# Altium PCB circuit2_pcb_ver1.PcbDoc
Units mil, origin at the board's own origin, x right, y up, seen from the top; angles counter-clockwise.
Board outline 1955.03 x 1960.03 mil, 2 copper layers (Top Layer, Bottom Layer); 27 components, 57 nets, 61 pads, 0 vias.
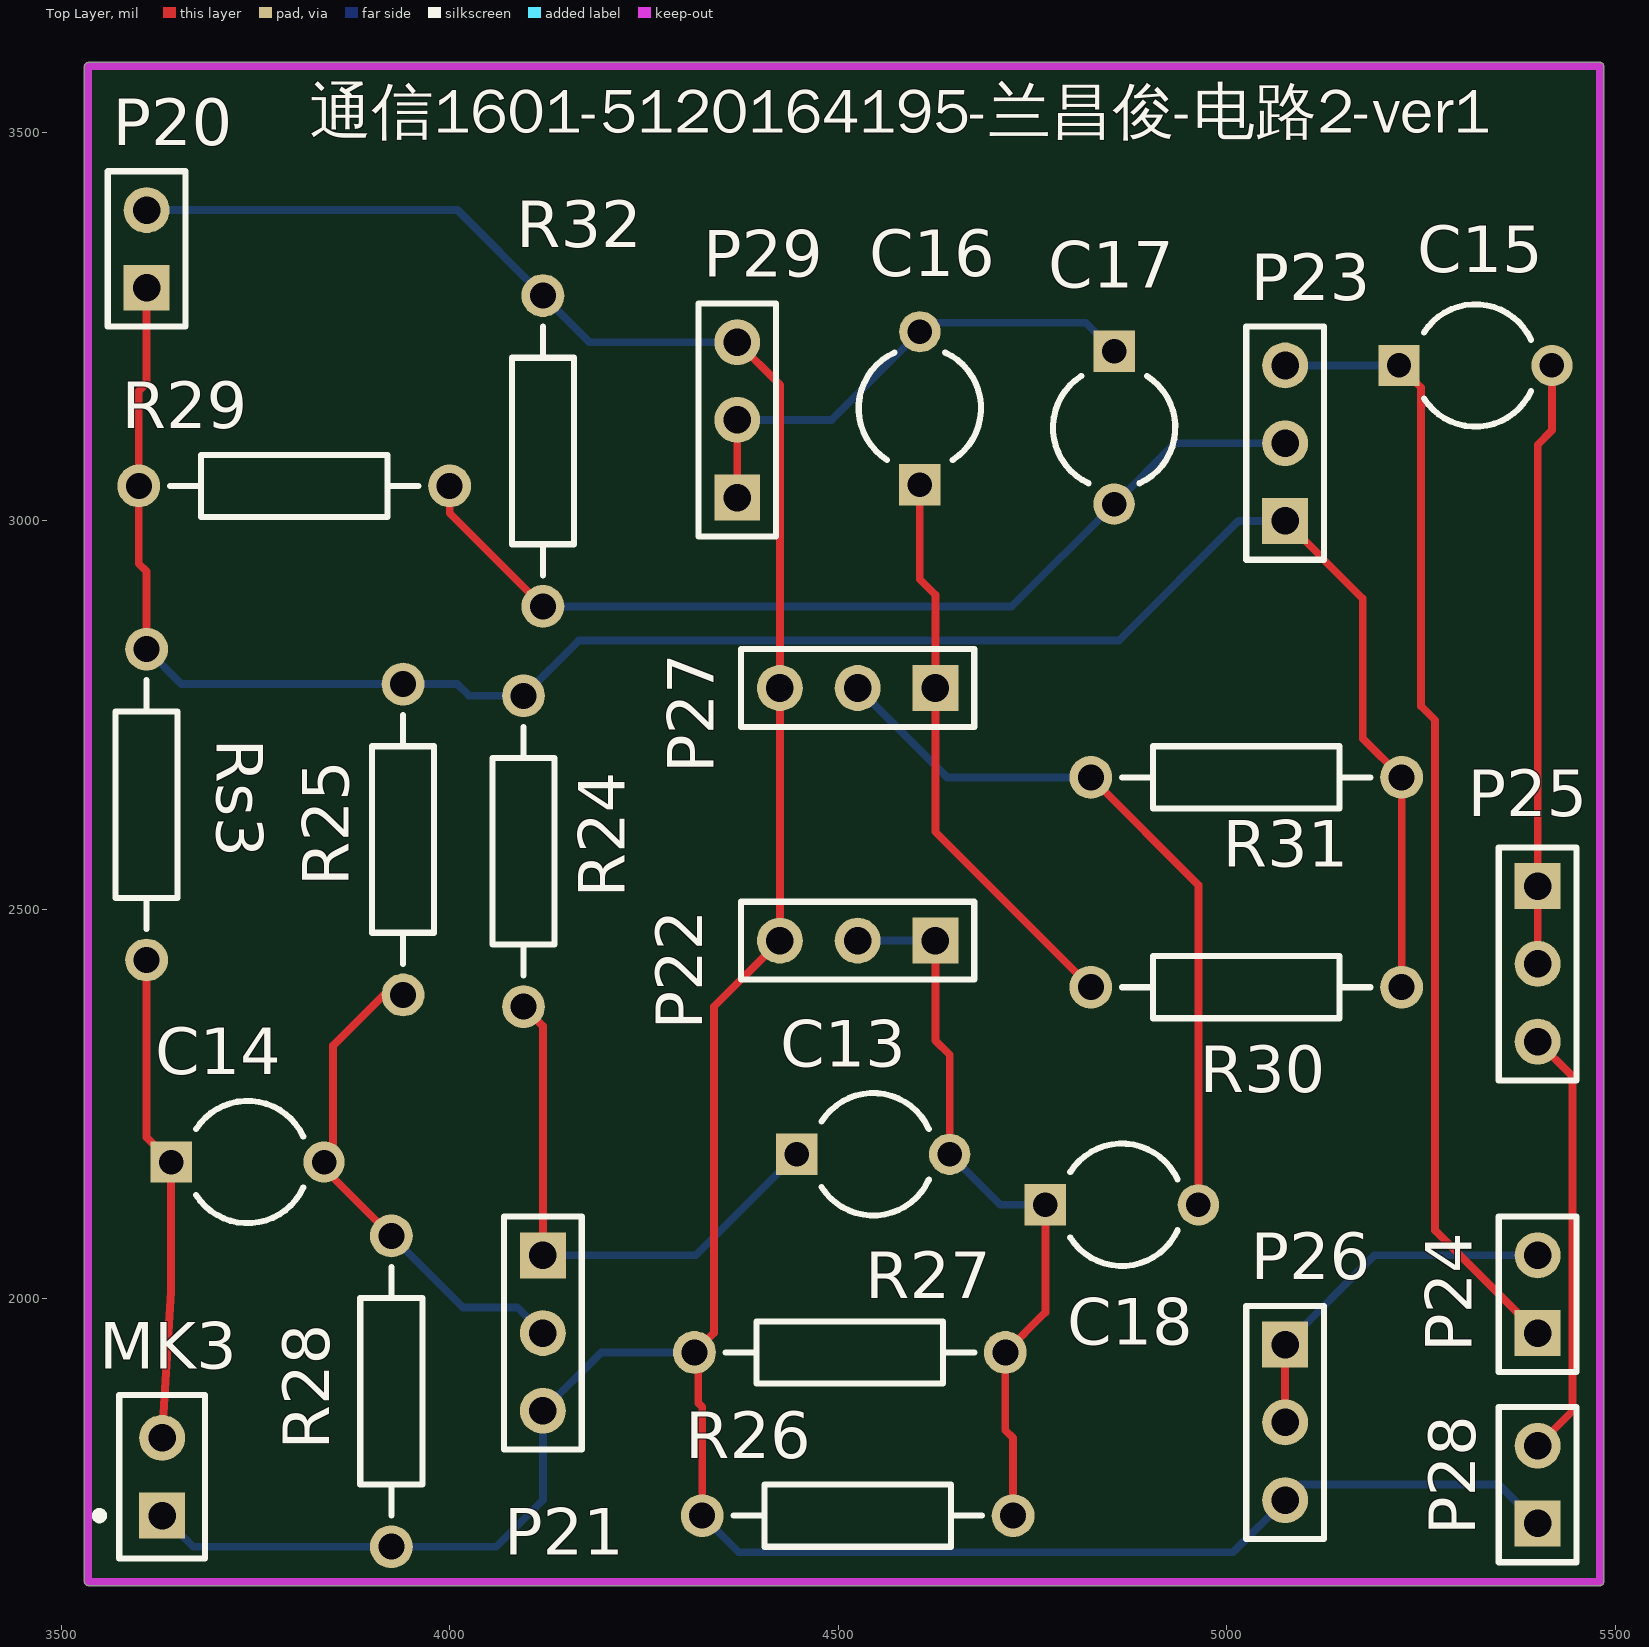
[diagram p0: Top Layer view]
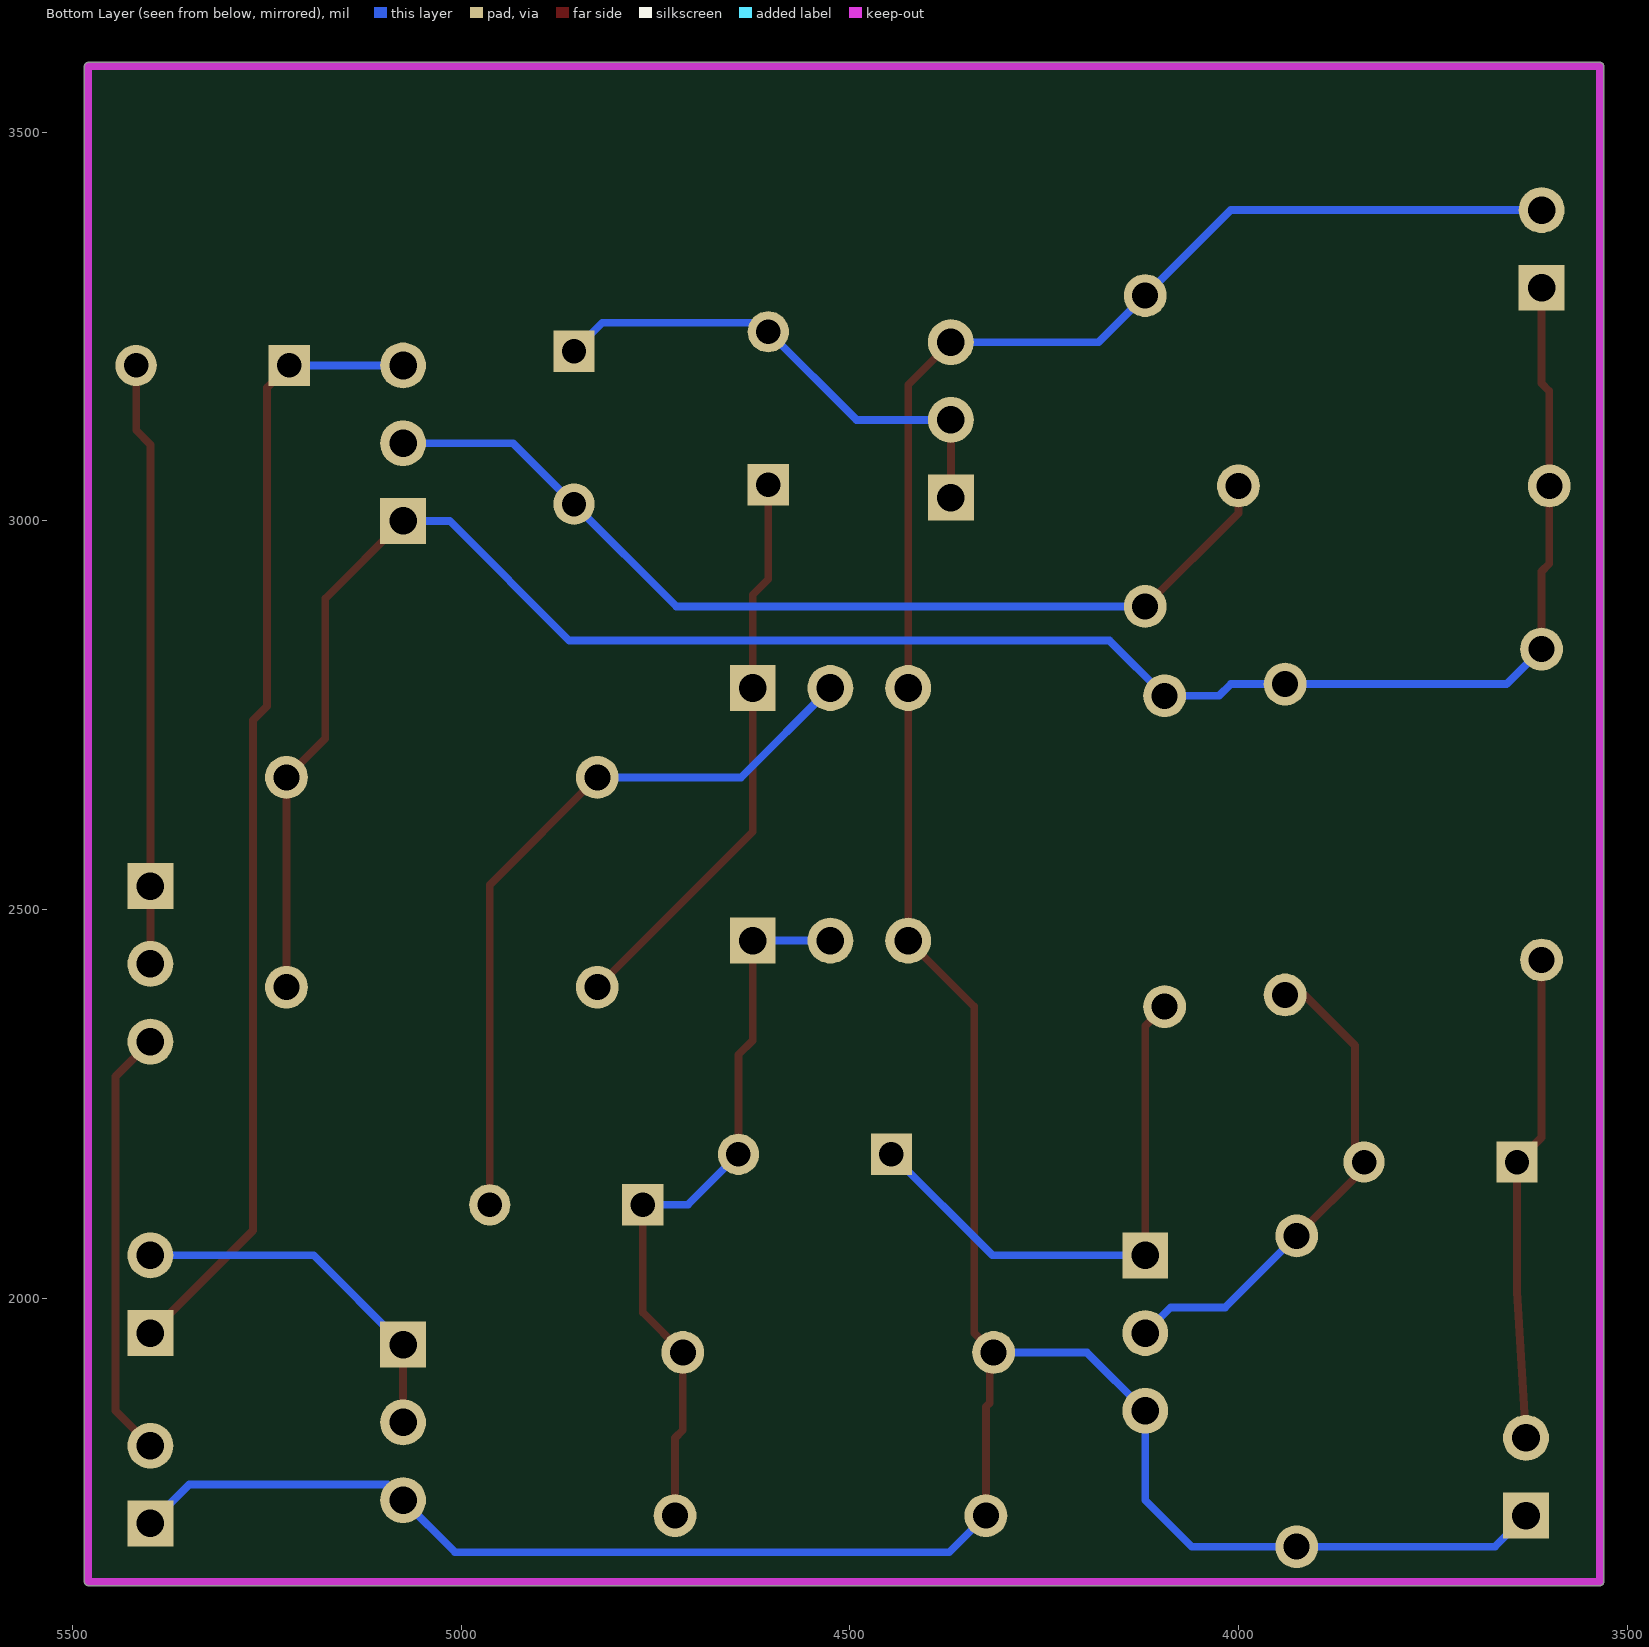
[diagram p1: Bottom Layer view, seen from below]

## Layer stack, top to bottom
Top Solder: solder mask 0.4, Solder Resist, Dk 3.5
Top Layer: signal copper 1.4
Dielectric 1: dielectric 12.6, FR-4, Dk 4.8
Bottom Layer: signal copper 1.4
Bottom Solder: solder mask 0.4, Solder Resist, Dk 3.5

## Board outline
3529.99,1635 ccw(c3535,1635) 3535,1629.98 5480,1629.98 ccw(c5480,1635) 5485.02,1635 5485.02,3585 ccw(c5480,3585) 5480,3590.01 3535,3590.01 ccw(c3535,3585) 3529.99,3585

## Design rules (kind name [scope] priority, off if disabled: settings)
Clearance [All] p1: gap=10 ignorepadtopadclearanceinfootprint=FALSE except(0: Arc-Hole Track-Hole SMDPad-Hole THPad-Hole Via-Hole Fill-Hole Poly-Hole Region-Hole Text-Hole)
PolygonConnect [All] p1: connectstyle=Relief reliefconductorwidth=10 reliefentries=4 polygonreliefangle="90 Angle" airgapwidth=10
RoomDefinition circuit2_ver1 [InComponentClass('circuit2_ver1')] p1: confinementstyle=ConfineIn formatcopy=TRUE lockcomponents=FALSE outline 3535,1635 5480,1635 5480,3590 3535,3590
RoutingVias [All] p1: holewidth=28 width=50 viastyle="Through Hole" minholewidth=28 minwidth=50 maxholewidth=28 maxwidth=50
SolderMaskExpansion [All] p1: expansion=4
Width [All] p1: maxlimit=10 minlimit=10 preferedwidth=10
30 further rules are at their usual default settings.

## Components (designator, comment, footprint, x,y, rotation, side; value= is the part's Value field where it differs from the comment)
C13 "Cap2" CAPR5-4X5 4545,2185 r0 top value=100pF
C14 "Cap2" CAPR5-4X5 3740,2175 r0 top value=100pF
C15 "Cap2" CAPR5-4X5 5320,3200 r0 top value=100pF
C16 "Cap2" CAPR5-4X5 4605,3145 r90 top value=100pF
C17 "Cap2" CAPR5-4X5 4855,3120 r270 top value=100pF
C18 "Cap2" CAPR5-4X5 4865,2120 r0 top value=100pF
MK3 "Mic2" PIN2 3630,1720 r90 top
P20 "Header 2" HDR1X2 3610,3300 r90 top
P21 "NPN" HDR1X3 4120,2055 r270 top
P22 "Res_var" HDR1X3 4625,2460 r180 top
P23 "NPN" HDR1X3 5075,3000 r90 top
P24 "Transistor" HDR1X2 5400,1955 r90 top
P25 "Res_var" HDR1X3 5400,2530 r270 top
P26 "Res_var" HDR1X3 5075,1940 r270 top
P27 "NPN" HDR1X3 4625,2785 r180 top
P28 "speaker2" HDR1X2 5400,1710 r90 top
P29 "Res_var" HDR1X3 4370,3030 r90 top
R24 "Res2" AXIAL-0.4 4095,2575 r90 top value=1K
R25 "Res2" AXIAL-0.4 3940,2590 r90 top value=1K
R26 "Res2" AXIAL-0.4 4525,1720 r0 top value=1K
R27 "Res2" AXIAL-0.4 4515,1930 r0 top value=1K
R28 "Res2" AXIAL-0.4 3925,1880 r90 top value=1K
R29 "Res2" AXIAL-0.4 3800,3045 r180 top value=1K
R30 "Res2" AXIAL-0.4 5025,2400 r0 top value=1K
R31 "Res2" AXIAL-0.4 5025,2670 r0 top value=1K
R32 "Res2" AXIAL-0.4 4120,3090 r270 top value=1K
Rs3 "Res2" AXIAL-0.4 3610,2635 r90 top value=1K

## Footprints (in the part's own frame and the unit in brackets; to place one, negate y for a bottom-side part, rotate by r counter-clockwise, add the part's x,y. Pads: shape width x height; smd on the part's side, far side on the other; paste and mask are expansions set on the pad)
AXIAL-0.4 [mm] "Axial Device, Thru-Hole; 2 Leads; 0.4 in Pin Spacing"
  round 1.4 hole 0.85: 1(-5.08,0) 2(5.08,0)
  silkscreen extent -4.06,-1.02 4.06,1.02
CAPR5-4X5 [mm] "Capacitor; 2 Leads"
  rect 1.35x1.35 hole 0.8: 1(-2.5,0)
  round 1.35 hole 0.8: 2(2.5,0)
  silkscreen extent -1.69,-2 1.82,2
HDR1X2 [mm] "Connector; Header; 2 Position"
  rect 1.5x1.5 hole 0.9: 1(0,0)
  round 1.5 hole 0.9: 2(2.54,0)
  silkscreen extent -1.27,-1.27 3.81,1.27
HDR1X3 [mm] "Connector; Header; 3 Position"
  rect 1.5x1.5 hole 0.9: 1(0,0)
  round 1.5 hole 0.9: 2(2.54,0) 3(5.08,0)
  silkscreen extent -1.27,-1.27 6.35,1.27
PIN2 [mm] "Photosensitive Diode; 2 Leads"
  rect 1.5x1.5 hole 0.9: 1(0,0)
  round 1.5 hole 0.9: 2(2.54,0)
  silkscreen extent -1.4,-1.4 3.94,2.17

## Part data
C13 C14 C15 C16 C17 C18: "Capacitor", PackageDescription="Capacitor; 2 Leads", PackageReference=CAPR5-4X5, Published=23-Sep-2002, Publisher="Altium Limited"
MK3: "Microphone", LatestRevisionDate=17-Jul-2002, LatestRevisionNote="Re-released for DXP Platform.", PackageReference=PIN2, Published=24-Mar-1999, Publisher="Altium Limited"
P20: "Header, 2-Pin", LatestRevisionDate=17-Jul-2002, LatestRevisionNote="Re-released for DXP Platform.", Publisher="Altium Limited"
P21 P22 P23 P25 P26 P27 P29: library part "Header 3", "Header, 3-Pin", LatestRevisionDate=17-Jul-2002, LatestRevisionNote="Re-released for DXP Platform.", Publisher="Altium Limited"
P24 P28: library part "Header 2", "Header, 2-Pin", LatestRevisionDate=17-Jul-2002, LatestRevisionNote="Re-released for DXP Platform.", Publisher="Altium Limited"
R24 R25 R26 R27 R28 R29 R30 R31 R32 Rs3: "Resistor", LatestRevisionDate=17-Jul-2002, LatestRevisionNote="Re-released for DXP Platform.", PackageDescription="Axial Device, Thru-Hole; 2 Leads; 0.4 in Pin Spacing", PackageReference=AXIAL-0.4, Published=8-Jun-2000, Publisher="Altium Limited"

## Nets (pads, with @x,y where several pads share a name; then routed paths per layer and width w, separated by ;. In a path a pad name is that pad's centre, name@x,y a point inside that pad or via, vN(x,y) a via of type N, cw(c..) or ccw(c..) an arc to the next point about the centre after c; other vN are vias at no path point)
GND: MK3.1 P20.2 P21.3 P22.3 P26.3 P27.3 P28.1 P29.3 R26.1 R27.1 R28.1 R32.1 | length 4436.6
  Top Layer w10: R26.1 4325,1860 4320,1865 4320,1925 R27.1 4340,1955 4340,2375 P22.3 P27.3 4425,3175 P29.3
  Bottom Layer w10: P20.2 4010,3400 R32.1 4180,3230 P29.3 ; MK3.1 3670,1680 R28.1 4060,1680 4120,1740 P21.3 4195,1930 R27.1 ; R26.1 4372,1673 5008,1673 P26.3 5095,1760 5350,1760 P28.1
mic1_input: 
mic2_input: C14.1 MK3.2 Rs3.1 | length 628.4
  Top Layer w10: Rs3.1 3610,2206.57 C14.1 3641.57,2008.57 MK3.2
mic3_input: 
mic_input: 
mid1_out0: 
mid1_out1: P20.1 P23.1 R24.2 R25.2 R29.2 R30.2 R31.2 Rs3.2 | length 2718.5
  Top Layer w10: Rs3.2 3610,2935 3600,2945 R29.2 3600,3167 3610,3177 P20.1 ; P23.1 5175,2900 5175,2720 R31.2 R30.2
  Bottom Layer w10: Rs3.2 3655,2790 R25.2 4010,2790 4025,2775 R24.2 4166,2846 4861,2846 5015,3000 P23.1
mid1_out2: 
mid2_out1: C17.2 P23.2 R29.1 R32.2 | length 1246.7
  Top Layer w10: R29.1 4000,3010 R32.2
  Bottom Layer w10: R32.2 4723.43,2890 C17.2 4933.43,3100 P23.2
mid3_out1: 
mid_out2: 
NetC1_1: 
NetC2_2: 
NetC3_1: 
NetC3_2: 
NetC4_1: 
NetC5_2: 
NetC6_1: 
NetC8_1: 
NetC8_2: 
NetC9_2: 
NetC10_1: 
NetC11_2: 
NetC12_1: 
NetC13_1: C13.1 P21.1 R24.1 | length 710.8
  Top Layer w10: R24.1 4120,2350 P21.1
  Bottom Layer w10: P21.1 4316.57,2055 C13.1
NetC14_2: C14.2 P21.2 R25.1 R28.2 | length 649.4
  Top Layer w10: R28.2 3838.43,2166.57 C14.2 3850,2186.57 3850,2325 3915,2390 R25.1
  Bottom Layer w10: R28.2 4017,1988 4087,1988 P21.2
NetC15_1: C15.1 P23.3 P24.1 | length 1465.5
  Top Layer w10: C15.1 5250,3171.57 5250,2761.57 5268,2743.57 5268,2087 P24.1
  Bottom Layer w10: P23.3 C15.1
NetC15_2: C15.2 P25.1 P25.2 | length 777.6
  Top Layer w10: P25.2 P25.1 5400,3098.15 5418.43,3116.57 C15.2
NetC16_1: C16.1 P27.1 R30.1 | length 737.7
  Top Layer w10: C16.1 4605,2925 4625,2905 P27.1 4625,2600 R30.1
NetC16_2: C16.2 C17.1 P29.1 P29.2 | length 651.9
  Top Layer w10: P29.1 P29.2
  Bottom Layer w10: P29.2 4491.57,3130 C16.2 4616.57,3255 4818.43,3255 C17.1
NetC18_2: C18.2 P27.2 R31.1 | length 955
  Top Layer w10: R31.1 4963.43,2531.57 C18.2
  Bottom Layer w10: P27.2 4640,2670 R31.1
NetC19_1: 
NetC20_2: 
NetC21_1: 
NetC21_2: 
NetC22_1: 
NetC22_2: 
NetC24_2: 
NetD1_1: 
NetD2_2: 
NetD3_1: 
NetD4_2: 
NetP4_1: 
NetP5_2: 
NetP6_3: 
NetP10_2: 
NetP13_3: 
NetP14_2: 
NetP24_2: P24.2 P26.1 P26.2 | length 472.6
  Top Layer w10: P26.2 P26.1
  Bottom Layer w10: P26.1 5190,2055 P24.2
NetP25_3: P25.3 P28.2 | length 557.3
  Top Layer w10: P28.2 5445,1855 5445,2285 P25.3
NetP33_2: 
NetP34_3: 
NetP35_2: 
reverse1_out: 
reverse2_out: C13.2 C18.1 P22.1 P22.2 R26.2 R27.2 | length 958.2
  Top Layer w10: P22.1 4625,2331.43 4643.43,2313 C13.2 ; R26.2 4725,1820 4715,1830 R27.2 4766.57,1981.57 C18.1
  Bottom Layer w10: P22.2 P22.1 ; C13.2 4708.43,2120 C18.1
reverse3_out: 
reverse_out: 

## Keep-outs
Keep-Out Layer:
  lines w10: 3535,1635 5480,1635 5480,3585 3535,3585 3535,1635

## Silkscreen, mask and mechanical layers (free items; w line width, h text height)
Top Overlay:
  text "通信1601-5120164195-兰昌俊-电路2-ver1" at 3820,3480 h100